# KiCad board input-output.Multi.kicad_pcb (continued)
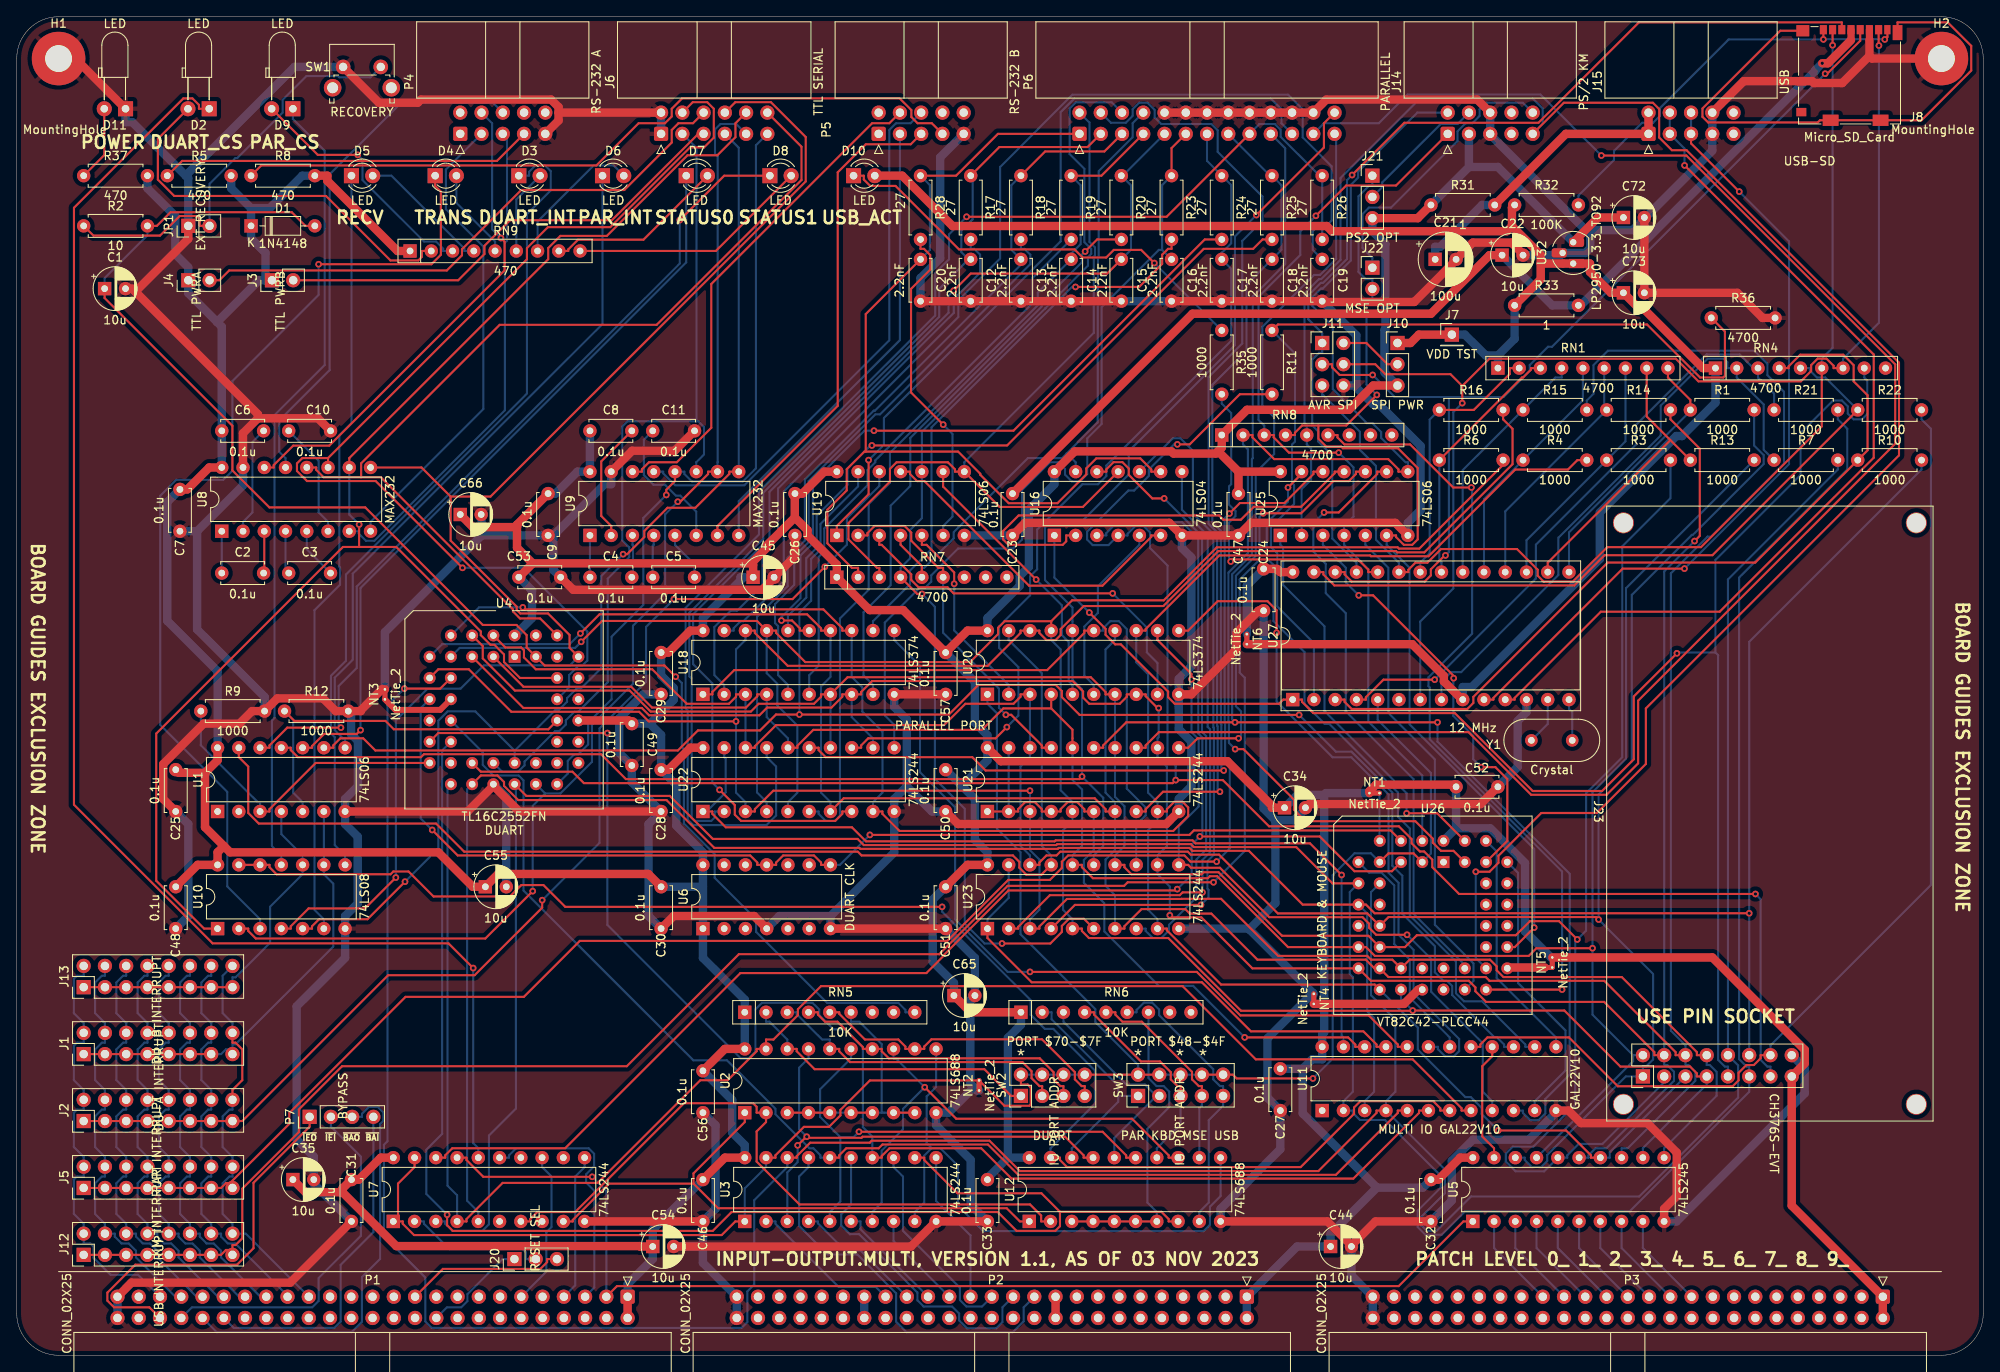
[diagram p0: board, top side]
## Nets
+12V: P2.19 P2.20
-12V: P2.37 P2.38
/DUART/GND_UART: NT3.1 U4.12
/USB-SD/VBUS: C21.1 J15.1 J15.2 R31.2
/USB-SD/VDD2: C24.1 NT6.1 U27.28
/USB-SD/VDD3: C22.1 C23.1 J8.4 R33.2
GND: C1.2 C7.2 C9.2 C10.2 C11.2 C12.2 C13.2 C14.2 C15.2 C16.2 C17.2 C18.2 C19.2 C20.2 C21.2 C22.2 C23.2 C24.2 C25.2 C26.2 C27.2 C28.2 C29.2 C30.2 C31.2 C32.2 C33.2 C34.2 C35.2 C44.2 C45.2 C46.2 C47.2 C48.2 C49.2 C50.2 C51.2 C52.2 C53.2 C54.2 C55.2 C56.2 C57.2 C65.2 C66.2 C72.2 C73.2 D11.1 H1.1 H2.1 J6.1 J6.2 J8.6 J8.9 J11.6 J14.5 J14.6 J15.7 J15.8 J23.16 JP1.1 NT2.1 NT3.2 NT4.1 P1.49 P1.50 P2.49 P2.50 P3.49 P3.50 P4.9 P5.9 P6.10 P6.12 P6.14 P6.16 P6.18 P6.20 P6.22 P6.24 R9.2 R12.2 R36.2 SW1.1 U1.7 U2.10 U3.10 U4.22 U5.10 U6.4 U6.7 U7.10 U8.15 U9.15 U10.7 U11.12 U12.10 U16.7 U18.10 U19.7 U20.10 U21.10 U22.10 U23.10 U25.7 U27.12 U32.2
VCC: C6.1 C7.1 C8.1 C9.1 C25.1 C26.1 C27.1 C28.1 C29.1 C30.1 C31.1 C32.1 C33.1 C34.1 C35.1 C44.1 C45.1 C46.1 C47.1 C48.1 C49.1 C50.1 C51.1 C52.1 C53.1 C54.1 C55.1 C56.1 C57.1 C65.1 C66.1 C72.1 D1.1 J3.1 J4.1 J10.3 J14.3 J21.3 J23.15 NT1.1 NT5.2 P1.1 P1.2 P2.1 P2.2 P3.1 P3.2 R5.2 R8.2 R31.1 R37.2 RN5.1 RN6.1 RN7.1 RN8.1 RN9.1 U1.14 U2.20 U3.20 U4.33 U4.44 U5.20 U6.1 U6.14 U7.20 U8.16 U9.16 U10.14 U11.24 U12.20 U16.14 U18.20 U19.14 U20.20 U21.20 U22.20 U23.20 U25.14 U26.44 U32.3
VDD: NT5.1 U26.29
VDD1: C73.1 D10.2 J7.1 J10.1 NT6.2 R32.1 R33.1 RN1.1 RN4.1 U27.9 U32.1
VSS: NT4.2 U26.22
470A: D2.2 RN9.2
470B: D9.2 RN9.3
470C: D5.2 RN9.4
470D: D4.2 RN9.5
470E: D3.2 RN9.6
470F: D6.2 RN9.7
470G: D7.2 RN9.8
470H: D8.2 RN9.9
/bus/A8: P2.17
/bus/A9: P2.15
/bus/A10: P2.13
/bus/A11: P2.11
/bus/A12: P2.9
/bus/A13: P2.7
/bus/A14: P2.5
/bus/A15: P2.3
/bus/A16: P2.36
/bus/A17: P2.34
/bus/A18: P2.32
/bus/A19: P2.30
/bus/A20: P2.28
/bus/A21: P2.26
/bus/A22: P2.24
/bus/A23: P2.22
/bus/A24: P2.18
/bus/A25: P2.16
/bus/A26: P2.14
/bus/A27: P2.12
/bus/A28: P2.10
/bus/A29: P2.8
/bus/A30: P2.6
/bus/A31: P2.4
/bus/AUXCLK0: P2.48
/bus/AUXCLK1: P2.47
/bus/AUXCLK2: P3.48
/bus/AUXCLK3: P3.46
/bus/CLK: P1.15
/bus/CRUCLK: P1.14
/bus/CRUIN: P1.18
/bus/CRUOUT: P1.16
/bus/D8: P3.17
/bus/D9: P3.15
/bus/D10: P3.13
/bus/D11: P3.11
/bus/D12: P3.9
/bus/D13: P3.7
/bus/D14: P3.5
/bus/D15: P3.3
/bus/D16: P3.34
/bus/D17: P3.32
/bus/D18: P3.30
/bus/D19: P3.28
/bus/D20: P3.26
/bus/D21: P3.24
/bus/D22: P3.22
/bus/D23: P3.20
/bus/D24: P3.18
/bus/D25: P3.16
/bus/D26: P3.14
/bus/D27: P3.12
/bus/D28: P3.10
/bus/D29: P3.8
/bus/D30: P3.6
/bus/D31: P3.4
/bus/E: P1.4
/bus/I2C_SCL: P1.47
/bus/I2C_SDA: P1.48
/bus/IC0: P2.45
/bus/IC1: P2.43
/bus/IC2: P2.41
/bus/IC3: P2.39
/bus/IPL0: P3.47
/bus/IPL1: P3.45
/bus/IPL2: P3.43
/bus/LDS: P3.38
/bus/PHI: P1.8
/bus/S0: P3.44
/bus/S1: P3.42
/bus/S2: P3.40
/bus/ST: P1.6
/bus/UDS: P3.36
/bus/USER0: P1.38
/bus/USER1: P1.36
/bus/USER2: P1.34
/bus/USER3: P1.32
/bus/USER4: P1.30
/bus/USER5: P1.28
/bus/USER6: P1.26
/bus/USER7: P1.24
/bus/USER8: P1.22
/bus/~{BHE}: P3.41
/bus/~{BUSACK}: P1.13
/bus/~{BUSERR}: P3.35
/bus/~{BUSRQ}: P1.23
/bus/~{DREQ0}: P2.46
/bus/~{DREQ1}: P2.42
/bus/~{HALT}: P1.27
/bus/~{INT0}: P1.17
/bus/~{INT1}: P1.12
/bus/~{INT2}: P1.10
/bus/~{MREQ}: P1.9
/bus/~{NMI}: P1.19
/bus/~{RFSH}: P1.29
/bus/~{TEND0}: P2.44
/bus/~{TEND1}: P2.40
/bus/~{VMA}: P3.39
/bus/~{VPA}: P3.37
/bus/~{WAIT}: P1.25
/DUART/INTA: R12.1 U1.5 U4.34
/DUART/INTB: R9.1 U1.3 U4.17
/DUART/RXA: P4.3 U8.8
/DUART/RXB: P5.3 U9.8
/DUART/TTL_RXA: J6.8 U4.39 U8.9 U10.4
/DUART/TTL_RXB: J6.7 U4.25 U9.9 U10.5
/DUART/TTL_TXA: J6.10 U4.38 U8.10 U10.1
/DUART/TTL_TXB: J6.9 U4.26 U9.10 U10.2
/DUART/TXA: P4.5 U8.7
/DUART/TXB: P5.5 U9.7
/DUART/~{CTSA}: P4.6 U8.13
/DUART/~{CTSB}: P5.6 U9.13
/DUART/~{DTRA}: P4.7 R5.1
/DUART/~{DTRB}: P5.7 R8.1
/DUART/~{INTA}: J1.1 J1.3 J1.5 J1.7 J1.9 J1.11 J1.13 J1.15 U1.6 U10.9
/DUART/~{INTB}: J13.1 J13.3 J13.5 J13.7 J13.9 J13.11 J13.13 J13.15 U1.4 U10.10
/DUART/~{RTSA}: P4.4 U8.14
/DUART/~{RTSB}: P5.4 U9.14
/DUART/~{TTL_CTSA}: J6.12 U4.40 U8.12
/DUART/~{TTL_CTSB}: J6.11 U4.28 U9.12
/DUART/~{TTL_RIA}: C1.1 D1.2 R2.2 RN5.9 U4.43
/DUART/~{TTL_RTSA}: J6.4 U4.36 U8.11
/DUART/~{TTL_RTSB}: J6.3 U4.23 U9.11
/kbdmse/KBDCLK: J14.1 RN8.3 U25.4 U26.2
/kbdmse/KBDDAT: J14.9 RN8.5 U25.2 U26.30
/kbdmse/MSECLK: J14.2 RN8.2 U25.8 U26.43
/kbdmse/MSEDAT: J21.1 J22.2 RN8.4 U25.6 U26.31
/kbdmse/P12: U26.32
/kbdmse/P13: U26.33
/kbdmse/P14: U26.35
/kbdmse/P15: U26.36
/kbdmse/P16: U26.37
/kbdmse/P17: U26.38
/kbdmse/P20: U26.24
/kbdmse/P21: U26.25
/kbdmse/PROG: RN8.6 U26.28
/kbdmse/~{INT_KM}: J5.1 J5.3 J5.5 J5.7 J5.9 J5.11 J5.13 J5.15 U25.12
/parallel/BUSY: RN7.6 U19.2 U21.17
/parallel/ERROR: P6.4 U21.8
/parallel/P-RESET: P6.6 RN7.4 U19.10 U23.6
/parallel/PAPEROUT: P6.23 U21.13
/parallel/PD0: C12.1 P6.3 R17.1 U22.2
/parallel/PD1: C13.1 P6.5 R18.1 U22.4
/parallel/PD2: C14.1 P6.7 R19.1 U22.6
/parallel/PD3: C15.1 P6.9 R20.1 U22.8
/parallel/PD4: C16.1 P6.11 R23.1 U22.11
/parallel/PD5: C17.1 P6.13 R24.1 U22.13
/parallel/PD6: C18.1 P6.15 R25.1 U22.15
/parallel/PD7: C19.1 P6.17 R26.1 U22.17
/parallel/SELECT: P6.25 U21.11
/parallel/STATUS0: P6.26 U1.11 U20.16 U23.15
/parallel/STATUS1: U1.13 U20.19 U23.17
/parallel/~{BUSY}: P6.21 U19.1
/parallel/~{INT_PAR}: J2.1 J2.3 J2.5 J2.7 J2.9 J2.11 J2.13 J2.15 U19.12
/parallel/~{LINEFEED}: P6.2 RN7.3 U16.11 U19.8
/parallel/~{PDENBL}: U18.1 U20.15 U23.13
/parallel/~{SEL}: P6.8 RN7.5 U16.13 U19.4
/parallel/~{STROBE}: C20.1 P6.1 R28.1 RN7.2 U16.9
/USB-SD/RST: R11.1 R36.1 U27.2
/USB-SD/SDCK: J8.5 J11.3 U27.26
/USB-SD/SDCS: J8.2 J11.5 RN4.6 U27.23
/USB-SD/SDDI: J8.3 J11.1 U27.25
/USB-SD/SDDO: J8.7 J11.4 RN4.7 U27.7
/USB-SD/UD+: J15.5 J15.6 U27.10
/USB-SD/UD-: J15.3 J15.4 U27.11
/USB-SD/~{INT-USB}: J23.9 RN4.8 U16.1 U27.1
A0: P2.35 U3.2
A1: P2.33 U3.4
A2: P2.31 U3.6
A3: P2.29 U3.8
A4: P2.27 U3.11
A5: P2.25 U3.13
A6: P2.23 U3.15
A7: P2.21 U3.17
ACK: P6.19 U11.10 U21.15
bA0: J23.10 R7.2 U3.18 U4.10 U11.4 U26.10
bA1: U3.16 U4.14 U11.5
bA2: U3.14 U4.15 U11.6
bA3: U3.12 U4.16 U12.8
bA4: U2.11 U3.9 U12.11
bA5: U2.13 U3.7 U12.13
bA6: U2.15 U3.5 U12.15
bA7: U2.17 U3.3 U12.17
bD0: J23.1 R1.2 U4.2 U5.18 U18.3 U20.3 U21.18 U22.18 U23.18 U26.14
bD1: J23.2 R13.2 U4.3 U5.17 U18.4 U20.4 U21.16 U22.16 U23.16 U26.15
bD2: J23.3 R3.2 U4.4 U5.16 U18.7 U20.7 U21.14 U22.14 U23.14 U26.16
bD3: J23.4 R14.2 U4.5 U5.15 U18.8 U20.8 U21.12 U22.12 U23.12 U26.17
bD4: J23.5 R4.2 U4.6 U5.14 U18.13 U20.13 U21.9 U22.9 U23.9 U26.18
bD5: J23.6 R15.2 U4.7 U5.13 U18.14 U20.14 U21.7 U22.7 U23.7 U26.19
bD6: J23.7 R6.2 U4.8 U5.12 U18.17 U20.17 U21.5 U22.5 U23.5 U26.20
bD7: J23.8 R16.2 U4.9 U5.11 U18.18 U20.18 U21.3 U22.3 U23.3 U26.21
bRESET: J23.13 R11.2 U4.21 U16.4
CLK_DUART: U4.11 U6.8 U6.11 U26.4
D0: P3.33 U5.2
D1: P3.31 U5.3
D2: P3.29 U5.4
D3: P3.27 U5.5
D4: P3.25 U5.6
D5: P3.23 U5.7
D6: P3.21 U5.8
D7: P3.19 U5.9
INT_KM: U11.14 U25.13
INT_PAR: U1.9 U11.15 U19.13
ONE: NT1.2 U26.6
P24-OB: U11.11 U26.39
P25-BF: U11.13 U26.40
PARINT: U11.9 U20.12 U23.11
ZERO: NT2.2 SW2.2 SW2.4 SW2.6 SW2.8 SW3.2 SW3.4 SW3.6 SW3.8 SW3.10 U3.1 U3.19 U7.1 U7.19 U20.1 U26.3 U26.8 U27.5
~{BAI}: P1.40 P7.4
~{BAO}: P1.42 P7.3
~{bIORQ}: U2.1 U7.9 U12.1
~{bM1}: U2.2 U7.7 U12.2
~{bRD}: J23.11 R21.2 U4.24 U7.3 U11.2 U26.9
~{bRESET}: U7.18 U16.3 U26.5
~{BUS_EN}: U5.19 U11.16
~{bWR}: J23.12 R10.2 U4.20 U7.5 U11.3 U26.11
~{CS_DUART}: U2.19 U4.18 U7.4 U11.8
~{CS_KM}: U11.18 U26.7
~{CS_PAR}: U10.12 U10.13 U11.7 U12.19
~{CS_US}: J23.14 R22.2 U11.17
~{EIRQ0}: J1.2 J2.2 J5.2 J12.2 J13.2 P1.45
~{EIRQ1}: J1.4 J2.4 J5.4 J12.4 J13.4 P1.43
~{EIRQ2}: J1.6 J2.6 J5.6 J12.6 J13.6 P1.41
~{EIRQ3}: J1.8 J2.8 J5.8 J12.8 J13.8 P1.39
~{EIRQ4}: J1.10 J2.10 J5.10 J12.10 J13.10 P1.37
~{EIRQ5}: J1.12 J2.12 J5.12 J12.12 J13.12 P1.35
~{EIRQ6}: J1.14 J2.14 J5.14 J12.14 J13.14 P1.33
~{EIRQ7}: J1.16 J2.16 J5.16 J12.16 J13.16 P1.31
~{IEI}: P1.44 P7.2
~{IEO}: P1.46 P7.1
~{IORQ}: P1.7 U7.11
~{M1}: P1.11 U7.13
~{PARIN0}: U11.23 U22.1 U22.19
~{PARIN1}: U11.22 U21.1 U21.2 U21.4 U21.6 U21.19
~{PARIN2}: U11.21 U23.1 U23.19
~{PAROUT0}: U11.20 U18.11
~{PAROUT2}: U11.19 U20.11
~{RD}: P1.3 U5.1 U7.17
~{RES_IN}: J20.1 P1.20
~{RES_OUT}: J20.3 P1.21
~{WR}: P1.5 U7.15
Net-(C2-Pad1): C2.1 U8.1
Net-(C2-Pad2): C2.2 U8.3
Net-(C3-Pad1): C3.1 U8.4
Net-(C3-Pad2): C3.2 U8.5
Net-(C4-Pad1): C4.1 U9.1
Net-(C4-Pad2): C4.2 U9.3
Net-(C5-Pad1): C5.1 U9.4
Net-(C5-Pad2): C5.2 U9.5
Net-(C6-Pad2): C6.2 U8.2
Net-(C8-Pad2): C8.2 U9.2
Net-(C10-Pad1): C10.1 U8.6
Net-(C11-Pad1): C11.1 U9.6
Net-(D2-Pad1): D2.1 U7.16
Net-(D3-Pad1): D3.1 U10.8
Net-(D4-Pad1): D4.1 U10.3
Net-(D5-Pad1): D5.1 U10.6
Net-(D6-Pad1): D6.1 U1.8
Net-(D7-Pad1): D7.1 U1.10
Net-(D8-Pad1): D8.1 U1.12
Net-(D9-Pad1): D9.1 U10.11
Net-(D10-Pad1): D10.1 R35.1
Net-(D11-Pad2): D11.2 R37.1
Net-(J3-Pad2): J3.2 J6.5
Net-(J4-Pad2): J4.2 J6.6
Net-(J8-Pad1): J8.1 J8.8 R32.2
Net-(J10-Pad2): J10.2 J11.2
Net-(J12-Pad1): J12.1 J12.3 J12.5 J12.7 J12.9 J12.11 J12.13 J12.15 U25.10
Net-(J14-Pad4): J14.4 J21.2
Net-(J14-Pad10): J14.10 J22.1
Net-(J20-Pad2): J20.2 U7.2
Net-(JP1-Pad2): JP1.2 R2.1 SW1.2
Net-(R1-Pad1): R1.1 RN1.9 U27.15
Net-(R3-Pad1): R3.1 RN1.7 U27.17
Net-(R4-Pad1): R4.1 RN1.5 U27.19
Net-(R6-Pad1): R6.1 RN1.3 U27.21
Net-(R7-Pad1): R7.1 RN4.2 U27.8
Net-(R10-Pad1): R10.1 RN4.4 U27.3
Net-(R13-Pad1): R13.1 RN1.8 U27.16
Net-(R14-Pad1): R14.1 RN1.6 U27.18
Net-(R15-Pad1): R15.1 RN1.4 U27.20
Net-(R16-Pad1): R16.1 RN1.2 U27.22
Net-(R17-Pad2): R17.2 U18.2
Net-(R18-Pad2): R18.2 U18.5
Net-(R19-Pad2): R19.2 U18.6
Net-(R20-Pad2): R20.2 U18.9
Net-(R21-Pad1): R21.1 RN4.3 U27.4
Net-(R22-Pad1): R22.1 RN4.5 U27.27
Net-(R23-Pad2): R23.2 U18.12
Net-(R24-Pad2): R24.2 U18.15
Net-(R25-Pad2): R25.2 U18.16
Net-(R26-Pad2): R26.2 U18.19
Net-(R28-Pad2): R28.2 U19.6
Net-(R35-Pad2): R35.2 U27.24
Net-(RN5-Pad2): RN5.2 SW2.1 U2.18
Net-(RN5-Pad3): RN5.3 SW2.3 U2.16
Net-(RN5-Pad4): RN5.4 SW2.5 U2.14
Net-(RN5-Pad5): RN5.5 SW2.7 U2.12
Net-(RN5-Pad6): RN5.6 U2.3 U2.4 U2.5 U2.6 U2.7 U2.8 U2.9
Net-(RN6-Pad2): RN6.2 SW3.1 U12.18
Net-(RN6-Pad3): RN6.3 SW3.3 U12.16
Net-(RN6-Pad4): RN6.4 SW3.5 U12.14
Net-(RN6-Pad5): RN6.5 SW3.7 U12.12
Net-(RN6-Pad6): RN6.6 SW3.9 U12.9
Net-(RN6-Pad7): RN6.7 U12.3 U12.4 U12.5 U12.6 U12.7
Net-(U16-Pad2): U16.2 U25.11
Net-(U16-Pad5): U16.5 U20.6
Net-(U16-Pad6): U16.6 U19.11
Net-(U16-Pad8): U16.8 U23.2
Net-(U16-Pad10): U16.10 U23.4
Net-(U16-Pad12): U16.12 U23.8
Net-(U19-Pad3): U19.3 U20.9
Net-(U19-Pad5): U19.5 U20.2
Net-(U19-Pad9): U19.9 U20.5
Net-(U25-Pad1): U25.1 U26.42
Net-(U25-Pad3): U25.3 U26.41
Net-(U25-Pad5): U25.5 U26.26
Net-(U25-Pad9): U25.9 U26.27
Net-(U27-Pad13): U27.13 Y1.1
Net-(U27-Pad14): U27.14 Y1.2

Pads without a net: J8 10 11; J14 7 8; J15 9 10; P4 1 2 8 10; P5 1 2 8 10; RN4 9; RN5 7 8; RN6 8 9; RN7 7 8 9; RN8 7 8 9; U1 1 2; U4 1 13 19 27 29 30 31 32 35 37 41 42; U6 2 3 5 6 9 10 12 13; U7 6 8 12 14; U11 1; U26 1 12 13 23 34; U27 6

## Via types
v1: diameter 0.8, hole 0.4, Top to Bottom, 122 vias

## Routing (per net, layer and track width the routed paths; a pad name or vN(x,y) marks a point on that pad's centre or on a via; arc(x,y) is an arc through that point)
+12V: length 2.5
  Top w1: P2.20 P2.19
-12V: length 2.5
  Bottom w1: P2.38 P2.37
/DUART/GND_UART: length 8.9
  Top w0.7: NT3.1 45.25,77.15 50.61,77.15 U4.12
/USB-SD/VBUS: length 35.1
  Top w1: R31.2 185.12,146 J15.1 J15.2
  Bottom w1: C21.1 169.5,132.5 170.12,132.5 175.12,137.5 R31.2
/USB-SD/VDD2: length 12.3
  Top w1: U27.28 150.97,93.62 150.59,94 C24.1
  Bottom w1: C24.1 147,92 NT6.1
/USB-SD/VDD3: length 128.9
  Top w0.85: 219.19,157.2 J8.4
  Top w1: 219.19,157.2 216.43,154.44 v1(215.76,154.44) ; C23.1 140.5,124.5 169,124.5 176,131.5 C22.1
  Bottom w1: v1(215.76,154.44) 214.95,153.63 214.95,153.55 186.9,125.5 R33.2 183.5,125.5 C22.1
GND: length 1399.2
  Top w0.85: 221.39,157.2 J8.6
  Top w1: C26.2 93,95.5 C45.2 90.5,92.91 89.09,91.5 66.5,91.5 C53.2 ; C52.2 174.93,65.88 154.43,65.88 C34.2 ; C25.2 17.5,66.5 17.5,70.66 22.34,75.5 26.62,75.5 28.12,77 R9.2 31.14,78.52 36.6,78.52 38.12,77 R12.2 41.12,77 41.12,77.09 43.63,79.6 NT3.2 ; P6.10 P6.12 P6.14 P6.16 P6.18 P6.20 P6.22 P6.24 156.5,150.1 174.52,150.1 J14.6 ; U9.15 73.54,108.12 78.62,108.12 C11.2 ; D11.1 7,155 H1.1 ; U6.4 88.12,52.5 78.5,52.5 C30.2 ; U6.7 C51.2 ; C24.2 148.39,89 145.78,86.4 145.78,84.42 140.36,79 U20.10 ; C16.2 C17.2 C18.2 C19.2 156.09,125.91 167.01,125.91 172,130.9 C21.2 174,133 178.62,133 180,131.63 C22.2 ; P4.9 64.75,147.59 64.75,148.54 ; U5.10 196.86,17.5 198.37,19.01 198.37,24.24 194.85,27.75 186.94,27.75 185.44,29.25 U11.12 ; 221.39,155.32 218.15,152.07 214.79,152.07 214.56,152.3 J8.9 206.38,152.3 J15.8 ; 221.39,155.32 221.71,155 H2.1 ; 221.39,155.32 221.39,157.2 ; U25.7 164.74,99.5 147.5,99.5 C47.2 U16.7 137.74,99.5 120.5,99.5 C23.2 ; C1.2 13.8,127.5 14.18,127.13 ; 28.82,112 36,112 C10.2 ; 28.82,112 28.82,112.48 14.18,127.13 ; 28.82,112 27.04,110.22 U8.15 ; U1.7 53.88,65 56.96,68.08 ; 56.96,68.08 U4.22 ; 56.96,68.08 60.04,65 C28.2 ; R36.2 208.62,124 205.62,127 C73.2 C72.2 ; SW1.1 43.28,149.72 47.92,149.72 48.3,150.1 63.86,150.1 64.75,149.2 64.75,148.54 ; 14.18,127.13 20.5,133.45 JP1.1 ; U12.10 156.62,16 159.5,13.12 ; C50.2 112.5,63.5 137.36,63.5 U21.10 ; 64.75,148.54 J6.2 ; C46.2 U7.10 ; C20.2 C12.2 C13.2 C14.2 C15.2 ; 159.5,13.12 162.38,16 C32.2 ; 159.5,13.12 C44.2 ; C31.2 32.68,8.68 13.72,8.68 P1.49 ; C33.2 U3.10 106.86,13 C54.2 ; U18.10 C57.2
  Bottom w1: J11.6 160.09,115.92 ; 160.09,115.92 160.09,121.91 C19.2 ; 160.09,115.92 160.09,115.68 162.07,113.69 162.76,113.69 167.76,108.69 167.76,101.02 166.24,99.5 U25.7 ; C33.2 113.99,18.01 113.99,23.37 109.86,27.5 U2.10 111.36,29 114.39,32.03 ; C16.2 C15.2 ; 114.39,32.03 114.76,31.65 NT2.1 ; 114.39,32.03 113.95,32.46 113.95,42.45 C65.2 114.5,47.5 C51.2 ; U6.4 91.12,52.5 97.24,52.5 ; 97.24,52.5 U6.7 ; 97.24,52.5 104.86,60.12 U22.10 104.86,66.5 106.37,68.01 ; 21.55,98.5 27.04,103.99 U8.15 ; 21.55,98.5 21.55,86.77 29.62,78.7 R9.2 ; 21.55,98.5 C7.2 ; 20.19,141.01 20.5,140.7 JP1.1 ; 20.19,141.01 33.19,154 SW1.1 ; 20.19,141.01 13.8,147.4 13,147.4 D11.1 ; P5.9 110.35,143.19 110.35,131.12 108,128.77 C20.2 ; 64.13,98 64.13,93.87 C53.2 ; 64.13,98 C9.2 55.55,98 ; 64.13,98 70.25,104.12 71.04,104.12 U9.15 ; U21.10 138.86,66.5 140.36,68 140.36,73.34 138.86,74.85 U20.10 138.86,80.84 140.37,82.34 140.37,95.37 139.24,96.5 U16.7 ; C24.2 149,65.36 150.41,63.95 ; C50.2 109.37,65 106.37,68.01 ; U19.7 C23.2 ; J23.16 213.66,34.32 213.66,31.3 198.36,16 U5.10 ; C66.2 55.55,100.45 55.55,98 ; 150.41,63.95 150.41,54.05 147.36,51 ; 150.41,63.95 152.62,63.95 154,65.32 C34.2 ; 82,13 C46.2 83.51,17.51 83.51,27.49 C56.2 ; 82,13 82,11.04 P2.49 P2.50 ; 82,13 C54.2 ; P3.50 P3.49 159.5,9.54 C44.2 ; NT3.2 44,86.45 55.55,98 ; 147.36,51 147.36,50.84 154.89,43.31 ; 147.36,51 U23.10 ; NT4.1 154.89,43.31 ; 154.89,43.31 149.46,37.88 149.46,30.79 C27.2 151,24.64 143.86,17.5 U12.10 ; C25.2 20.5,63.5 20.5,52.5 C48.2 ; R12.2 39.96,76.66 39.96,74.24 40.77,73.43 40.77,68.03 39.24,66.5 U1.7 39.24,63.5 40.75,61.99 40.75,54.01 39.24,52.5 U10.7 39.24,47.5 33.45,41.71 33.45,25.79 35.5,23.74 C35.2 35.5,20.5 C31.2 ; C22.2 184.46,131.5 U32.2 187.45,131.77 188.03,132.35 188.03,134.5 ; C55.2 58.5,66.72 U4.22 ; C30.2 75.5,52.5 75.5,63.5 C28.2 73.5,68.5 C49.2 71.99,72.01 71.99,76.12 74.87,79 C29.2 ; 188.03,134.5 187.48,134.5 176.08,145.9 J14.5 J14.6 ; 188.03,134.5 193.12,134.5 194.5,135.87 C72.2 194.63,136 202.62,143.99 J15.7 J15.8 ; 106.37,68.01 106.37,75.99 104.86,77.5 U18.10 ; U11.12 183.94,29.01 180.7,25.77 174.02,25.77 171.49,23.24 171.49,18.49 C32.2 ; P1.50 P1.49 ; J6.2 J6.1 ; U27.12 180.41,76.87 179.35,75.81 179.35,70.3 C52.2
VCC: length 996
  Top w1: C28.1 77.88,70 80.5,72.62 U22.20 ; RN9.1 45.5,132 37.12,140.38 37.12,141 R8.2 ; C65.1 114,41 RN6.1 ; U32.3 188.96,136 C72.1 ; 38.92,19.49 38.92,19.92 C31.1 40.88,21 43.5,23.62 U7.20 ; 38.92,19.49 34.51,19.49 C35.1 ; 38.92,19.49 45.36,13.05 74.45,13.05 74.5,13 C54.1 ; U16.14 126.43,108.05 137.98,108.05 138.24,107.79 143.29,107.79 143.56,108.06 ; 59.78,98.99 59.78,96.53 61.66,94.66 ; 59.78,98.99 59.78,99.28 C9.1 ; 59.78,98.99 54.51,98.99 C66.1 ; C34.1 150,65.45 150,65.68 144.67,71.01 117.61,71.01 U21.20 ; U4.33 73.12,75.88 C49.1 ; C48.1 21.62,58.62 U10.14 24,60.12 24.75,60.87 ; R31.1 167.42,135.92 J21.3 ; U5.20 172.5,23.62 169.88,21 C32.1 ; 22.5,69.62 22.5,63.12 24.75,60.87 ; 22.5,69.62 19.38,69.62 C25.1 ; 22.5,69.62 24,71.12 U1.14 ; 61.66,94.66 C53.1 ; 61.66,94.66 87.84,94.66 ; P1.1 P1.2 ; 146,105.62 U25.14 ; 146,105.62 143.56,108.06 ; 146,105.62 C47.1 ; U2.20 84.62,36.62 C56.1 ; J10.3 162.1,115.92 159.19,113.01 147.01,113.01 RN8.1 144,108.5 143.56,108.06 ; C52.1 171.75,68.2 162.42,68.2 161.65,67.43 NT1.1 ; U23.20 113.62,58.62 C51.1 ; 24.75,60.87 25.5,60.12 50.38,60.12 54.5,56 C55.1 57.53,57.53 75.47,57.53 C30.1 ; C45.1 88,94.5 87.84,94.66 ; U8.16 23,106.12 20.38,103.5 C7.1 ; C46.1 84.62,23.62 U3.20 ; 92.98,100.14 92.98,102.84 93,102.86 C26.1 93.88,103 96.5,105.62 U19.14 ; 92.98,100.14 94.5,98.62 94.5,98 98,94.5 RN7.1 101.93,89.07 105.93,89.07 C57.1 113.62,86.62 U20.20 ; 92.98,100.14 89.64,96.8 89.64,96.53 87.84,94.73 87.84,94.66 ; C29.1 77.88,84 80.5,86.62 U18.20 ; P3.2 P3.1 212.11,17.89 J23.15 213.67,34.89 213.67,36.51 202.63,47.55 NT5.2
  Bottom w1: R5.2 25.62,139.5 28,137.12 ; 82,56 U6.1 82,47.5 87,42.5 RN5.1 U2.20 ; 82,56 C30.1 ; 82,56 U6.14 82,60.12 78.82,63.3 78.82,68.18 C28.1 77,74.16 75.66,75.5 ; 118.44,23.62 116,21.18 C33.1 ; 118.44,23.62 118.44,37.94 120,39.5 RN6.1 ; 118.44,23.62 U12.20 ; J10.3 163.45,117.47 163.45,122.55 163.55,122.66 163.55,132.82 162,134.37 J21.3 ; 29.72,128.5 29.72,131.77 28,133.5 D1.1 28,137.12 ; 29.72,128.5 J3.1 ; 29.72,128.5 28.95,128.5 23.95,123.5 ; 28,137.12 30.24,137.12 34.12,141 R8.2 ; 75.66,75.5 C49.1 ; 75.66,75.5 78.5,78.34 78.5,79.76 77,81.26 C29.1 ; NT1.1 156.46,67.2 156.24,66.98 ; 162.54,20.04 168.04,20.04 C32.1 ; 162.54,20.04 153.67,28.91 153.67,34.25 ; 162.54,20.04 157,14.5 C44.1 153,13 P2.1 P2.2 ; P1.1 73,8.5 76,11.5 C54.1 76,15 C46.1 ; C52.1 172,62.99 ; 172,62.99 176.09,62.99 180.24,58.85 180.24,50.66 183.35,47.55 NT5.2 ; 172,62.99 U26.44 ; 153.67,34.25 154.79,35.37 156,35.37 U11.24 156,38.37 156.24,38.61 156.24,66.98 ; 153.67,34.25 C27.1 ; 173.54,142.04 177,142.04 U32.3 ; 173.54,142.04 J14.3 ; 173.54,142.04 R31.1 ; C51.1 109.46,54.46 109.46,47.04 112,44.5 C65.1 ; 23.95,123.5 24.5,122.95 C6.1 U8.16 ; 23.95,123.5 20.5,126.95 J4.1 20.5,130.05 18.95,131.6 18.95,136.17 15.62,139.5 R37.2 ; 112.94,68.06 C50.1 ; 112.94,68.06 114.5,66.5 114.5,61.62 116,60.12 U23.20 ; 112.94,68.06 116,71.12 U21.20 116,74.12 114.5,75.62 114.5,80.5 C57.1 ; U4.44 61.57,88.11 61.57,91.43 C53.1 ; C34.1 153.03,66.98 156.24,66.98 ; U1.14 24,81.77 17.98,87.79 17.98,101.98 C7.1 ; C9.1 64.38,103 67,105.62 U9.16 C8.1 ; C56.1 85.5,30.5 85.5,26.62 87,25.12 U3.20 ; U16.14 124,104.12 120.95,101.07 120.95,94.25 119.86,93.16 119.86,91.98 116,88.12 U20.20 ; U18.20 82,88.12 86.5,92.62 86.5,93 C45.1
VDD: length 5.4
  Top w0.6: NT5.1 182.61,46.35
  Top w1: 182.61,46.35 178.22,46.35 U26.29
VDD1: length 224.5
  Top w1: R32.1 178.68,137.18 178.68,134.97 ; 178.68,134.97 178.07,134.36 157.16,134.36 156.54,134.98 111.83,134.98 105.81,141 D10.2 ; 178.68,134.97 182.11,131.53 182.11,130.5 ; J7.1 167.55,122 166.55,121 J10.1 ; 182.11,130.5 U32.1 188,130.5 188,129.5 190.5,127 C73.1 193.8,125.2 194.3,125.2 201.5,118 RN4.1 ; 182.11,130.5 182.11,128.61 R33.1 ; NT6.2 166.75,85 170.54,81.21 170.54,80.55 172.71,78.38 U27.9
  Bottom w1: 177,119.5 179,121.5 R33.1 ; 177,119.5 175.55,119.5 173.05,122 J7.1 ; 177,119.5 RN1.1 ; U27.9 172.79,79.88 173.88,79.88 189.18,95.18 189.18,100.74 198.32,109.88 199.01,109.88 203,113.87 RN4.1
VSS: length 13.7
  Top w1: U26.22 167.49,43.71 165.78,42 NT4.2
470A: length 47.5
  Top w0.25: RN9.2 48.41,132 48.41,131.3 47.99,130.87 44.66,130.87 36.95,138.57 18.82,138.57 16.87,140.53 16.87,145.41 D2.2
470B: length 30.3
  Top w0.25: D9.2 35.97,143.49 v1(40.74,143.49)
  Bottom w0.25: v1(40.74,143.49) 41.31,142.92 41.31,140.48 48.67,133.13 50.11,133.13 50.95,132.28 50.95,132 RN9.3
470C: length 16
  Bottom w0.25: D5.2 44.78,141 53.49,132.28 53.49,132 RN9.4
470D: length 10.9
  Bottom w0.25: RN9.5 57.16,133.13 52.54,137.75 D4.2
470E: length 10.2
  Bottom w0.25: RN9.6 59.7,138.16 D3.2
470F: length 17.1
  Bottom w0.25: D6.2 71.31,142.23 68.93,142.23 62.24,135.53 RN9.7
470G: length 21.6
  Top w0.25: D7.2 74.89,133.35 67.07,133.35 65.91,132.18 65.91,132 RN9.8
470H: length 28.9
  Top w0.25: RN9.9 83.54,132 D8.2
/DUART/INTA: length 46.8
  Top w0.25: U4.34 63.53,74.83 45.06,74.83 44.07,75.82 33.18,75.82 R12.1
  Bottom w0.25: U1.5 34.16,66.13 33.03,67.25 33.03,75.97 R12.1
/DUART/INTB: length 37.9
  Top w0.25: U1.3 30.21,65 30.21,65.28 35.72,70.8 U4.17
  Bottom w0.25: U1.3 29.08,66.13 28.8,66.13 22,72.92 R9.1
/DUART/RXA: length 56.7
  Bottom w0.25: P4.3 51.28,141.74 51.28,136.99 55.76,132.52 55.76,113.1 42.28,99.63 U8.8
/DUART/RXB: length 56
  Bottom w0.25: U9.8 86.28,102.09 105.54,121.35 P5.3
/DUART/TTL_RXA: length 173.8
  Top w0.25: U10.4 32.75,51 32.75,51.28 34.88,53.41 41.61,53.41 v1(45.3,57.1) ; 51.85,102.64 48.37,106.12 U8.9 ; 51.85,102.64 51.85,97.38 59.75,89.48 59.75,89.1 60.17,88.67 63.49,88.67 66.06,86.1 66.06,84.56 U4.39 ; 51.85,102.64 56.61,102.64 94.29,140.32 94.29,145.62 90.12,149.79 85.87,149.79 J6.8
  Bottom w0.25: v1(45.3,57.1) 45.3,75.88 49.11,79.69 53.04,79.69 55.81,82.46 66.08,82.46 U4.39
/DUART/TTL_RXB: length 137.6
  Top w0.25: v1(72.46,95.76) 72.95,95.76 74.99,97.81 74.99,98.53 77.77,101.3 81.1,101.3 85.15,105.35 85.15,105.62 U9.9 ; v1(46.4,56.61) 41.91,52.13 36.13,52.13 35.29,51.28 35.29,51 U10.5
  Bottom w0.25: J6.7 86.28,144.34 U9.9 ; U4.25 59.5,72.27 ; 59.5,72.27 54.8,76.97 51.49,76.97 50.38,75.85 50.38,60.59 v1(46.4,56.61) ; 59.5,72.27 64.38,77.15 64.8,77.15 65.76,78.11 65.76,78.55 66.9,79.69 67.41,79.69 69.85,82.13 69.85,93.14 v1(72.46,95.76)
/DUART/TTL_TXA: length 169.1
  Top w0.25: U4.38 60.14,80.96 58.23,82.87 58.23,83.77 57.07,84.93 56.6,84.93 55.46,86.08 55.46,86.52 45.36,96.62 40.91,96.62 ; U8.10 39.74,107.25 63.51,131.02 63.51,132.35 64.96,133.8 70.52,133.8 80.16,143.44 83.73,143.44 85.89,145.61 85.89,147.27 J6.10 ; 40.91,96.62 v1(40.91,99.31) ; 40.91,96.62 38.98,96.62 16.67,74.31 16.67,56.72 22.39,51 U10.1
  Bottom w0.25: U8.10 39.74,100.49 v1(40.91,99.31)
/DUART/TTL_TXB: length 146.4
  Top w0.25: v1(78.99,102.03) 79.3,102.03 82.61,105.34 82.61,105.62 U9.10 ; v1(61.66,55.48) 56,49.82 28.57,49.82 27.67,50.72 27.67,51 U10.2
  Bottom w0.25: v1(61.66,55.48) 61.66,65.68 63.14,67.16 ; U9.10 83.74,106.75 83.77,106.77 83.77,143.29 83.44,143.61 83.44,146.53 84.1,147.18 85.98,147.18 J6.9 ; 63.14,67.16 U4.26 ; 63.14,67.16 64.97,67.16 68.74,70.93 68.74,75.35 73.64,80.25 73.64,87.2 77.49,91.05 77.49,100.52 v1(78.99,102.03)
/DUART/TXA: length 59
  Bottom w0.25: P4.5 58.58,145.5 58.58,133.25 58.33,132.99 58.33,112.95 42.73,97.36 41.73,97.36 40.87,98.22 40.87,98.5 U8.7
/DUART/TXB: length 61.2
  Top w0.25: P5.5 106.83,144.75 101.46,144.75 98.11,141.4 98.11,113.5 83.74,99.13 U9.7
/DUART/~{CTSA}: length 62.6
  Bottom w0.25: U8.13 32.12,107.25 31.37,108 31.37,111.73 37.39,117.75 37.39,141.16 45.95,149.72 56.9,149.72 P4.6
/DUART/~{CTSB}: length 65.9
  Bottom w0.25: P5.6 106.81,147.27 105.08,147.27 104.27,146.46 104.27,121.32 86.95,103.99 78.68,103.99 77.25,105.43 77.25,105.62 U9.13
/DUART/~{DTRA}: length 44.7
  Top w0.25: P4.7 57.38,142.76 19.76,142.76 R5.1
/DUART/~{DTRB}: length 89.2
  Top w0.25: R8.1 29.23,142.23 69.27,142.23 74.32,147.27 77.46,147.27 78.27,148.08 78.27,149 79.51,150.24 105.51,150.24 106.9,148.85 106.9,148.01 107.65,147.27 109.35,147.27 P5.7
/DUART/~{INTA}: length 52.7
  Top w0.25: J1.13 J1.11 J1.9 J1.7 J1.5 J1.3 J1.1
  Bottom w0.25: 25.78,36.57 25.78,37.18 26.15,37.18 37.83,48.85 37.83,56.37 36.7,57.49 U10.9 U1.6 ; 25.78,36.57 J1.15 ; 25.78,36.57 24.99,36.57 24.42,36 J1.13
/DUART/~{INTB}: length 43.5
  Top w0.25: J13.15 J13.13 J13.11 J13.9 J13.7 J13.5 J13.3 J13.1
  Bottom w0.25: J13.15 25.78,45.18 26.15,45.18 30.28,49.3 30.28,53.61 34.16,57.49 U10.10 34.16,59.75 31.62,62.29 U1.4
/DUART/~{RTSA}: length 58.6
  Top w0.25: U8.14 30.71,106.12 30.71,106.4 33.03,108.73 37.35,108.73 58.29,129.68 58.29,133.11 v1(57.86,133.55)
  Bottom w0.25: P4.4 56.81,147.27 56.81,134.6 v1(57.86,133.55)
/DUART/~{RTSB}: length 60
  Top w0.25: U9.14 74.71,105.62 74.71,105.9 75.55,106.75 78.88,106.75 83,110.87 83,128.05 102.22,147.27 104.27,147.27 P5.4
/DUART/~{TTL_CTSA}: length 116.6
  Top w0.25: U8.12 35.79,106.12 35.79,105.84 36.67,104.95 41.15,104.95 ; 41.15,104.95 41.15,106.61 57.71,123.17 76.47,123.17 93.78,140.48 93.78,144.46 J6.12 ; 41.15,104.95 43.5,104.95 59.3,89.16 59.3,88.91 60.14,88.07 62.55,88.07 U4.40
/DUART/~{TTL_CTSB}: length 95
  Top w0.25: v1(77.62,102.84) 77.62,103.46 78.66,104.49 U9.12
  Bottom w0.25: U9.12 79.79,105.62 79.79,105.34 80.68,104.44 86.76,104.44 88.34,106.02 88.34,144.64 J6.11 ; v1(77.62,102.84) 74.87,100.09 74.87,89.69 71.08,85.9 71.08,78.41 68.29,75.61 68.29,73.02 67.1,71.84 66.63,71.84 65.85,71.05 65.85,69.53 U4.28
/DUART/~{TTL_RIA}: length 180.7
  Top w0.25: C1.1 10.5,126.37 25.77,111.1 25.77,105.77 30.19,101.35 41.64,101.35 55.7,87.3 59.72,87.3 60.93,86.08 60.93,84.61 U4.43 63.09,82.45 77.4,82.45 v1(78.74,81.11) ; R2.2 16.75,135 18.38,136.63 32.86,136.63 34.49,135 D1.2
  Bottom w0.25: C1.1 10.5,128.75 15.62,133.87 R2.2 ; RN5.9 106.19,41 106.19,41.28 105.35,42.13 96.84,42.13 88.35,50.61 88.35,52.12 83.41,57.06 83.41,59.88 79.73,63.56 79.73,72.44 79.48,72.7 79.48,80.37 v1(78.74,81.11)
/DUART/~{TTL_RTSA}: length 129.3
  Top w0.25: v1(53.26,94.12) 42.89,104.5 34.68,104.5 33.49,105.7 33.49,106.6 34.13,107.25 37.2,107.25 ; 37.2,107.25 60.97,131.02 60.97,132.35 63.47,134.85 70.93,134.85 80.46,144.38 82.13,144.38 83.3,145.55 83.3,149 82.51,149.79 80.79,149.79 J6.4 ; 37.2,107.25 U8.11
  Bottom w0.25: v1(53.26,94.12) 53.27,94.13 60.57,94.13 68.19,86.51 68.19,83.04 67.61,82.46 67.16,82.46 66.01,81.32 66.01,79.85 U4.36
/DUART/~{TTL_RTSB}: length 102.2
  Bottom w0.25: 81.23,111.64 73,111.64 72.36,111 72.36,97.4 73.19,96.57 73.19,95.4 70.63,92.84 70.63,80.45 67.09,76.92 66.62,76.92 65.62,75.91 65.62,75.4 64.83,74.61 64.32,74.61 60.68,70.97 60.68,70.52 59.92,69.75 58.01,69.75 U4.23 ; 81.23,111.64 81.23,144.31 J6.3 ; 81.23,111.64 81.45,111.64 82.13,110.97 82.13,107.67 81.2,106.75 U9.11
/kbdmse/KBDCLK: length 110.5
  Top w0.25: v1(155.25,136.21) 158.87,139.82 164.82,139.82 J14.1 ; RN8.3 150.21,110 150.21,109.72 152.03,107.89 v1(157.97,107.89)
  Bottom w0.25: v1(155.25,136.21) 153.39,134.34 153.39,131.52 148.38,126.52 148.38,111.82 149.08,111.13 RN8.3 ; U26.2 167.96,69.3 161.51,75.75 161.51,93.99 158.62,96.87 U25.4 158.62,99.13 159.75,100.25 159.75,106.12 v1(157.97,107.89)
/kbdmse/KBDDAT: length 236.4
  Top w0.25: v1(174.36,57.8) 176,57.8 177.07,58.87 177.07,59.7 182.18,64.82 188.82,64.82 194.68,70.68 194.68,77.32 224.93,107.57 224.93,118.65 199.54,144.05 197.79,144.05 196.27,145.57 196.27,148.97 195.52,149.72 184.88,149.72 J14.9
  Bottom w0.25: J14.9 182.35,147.19 182.35,149.03 181.16,150.22 167.69,150.22 158.19,140.73 158.19,130.95 155.88,128.64 155.61,128.64 153.89,126.92 153.89,111.4 154.16,111.13 RN8.5 154.16,108.87 154.67,108.36 154.67,104.67 153.54,103.54 U25.2 ; U26.30 174.36,47.47 v1(174.36,57.8)
/kbdmse/MSECLK: length 152.1
  Top w0.25: RN8.2 147.67,110 147.67,109.72 150.26,107.12 163.89,107.12 165.11,105.9 165.11,105.62 U25.8 ; U26.43 171.7,60.29 170.2,60.29 169.23,61.27 169.23,61.74 167.13,63.84 154,63.84 152.63,65.22 152.63,66.43 146.6,72.45 v1(145.6,72.45)
  Bottom w0.25: J14.2 167.36,148.54 160.3,141.48 160.3,140.78 159.42,139.9 159.42,130.86 156.07,127.51 155.87,127.51 154.83,126.48 154.83,125.42 157.27,122.98 157.27,115.49 161.34,111.42 161.99,111.42 163.05,110.36 163.05,109.65 165.96,106.75 166.24,106.75 U25.8 ; RN8.2 146.54,108.87 147.13,108.29 147.13,95.89 144.79,93.56 144.79,75.81 144.86,75.75 144.86,73.2 v1(145.6,72.45)
/kbdmse/MSEDAT: length 128.5
  Top w0.25: v1(162.53,114.79) 158.87,111.14 155.55,111.14 ; U25.6 164.83,98 164.83,97.81 165.76,96.87 166.76,96.87 167.41,97.53 167.41,106.06 165.06,108.42 158.48,108.42 158.27,108.62 156.48,108.62 155.55,109.55 155.55,111.14 ; 155.55,111.14 153.6,111.14 152.75,110.28 152.75,110 RN8.4 ; U26.31 179.01,48.79 v1(181.34,51.12)
  Bottom w0.25: v1(162.53,114.79) 161.3,116.02 161.3,125.59 162,126.28 J22.2 162,128.64 161.19,128.64 160.33,129.49 160.33,138.53 161.63,139.82 162,139.82 J21.1 ; v1(181.34,51.12) 181.34,60.52 166.44,75.41 166.44,94.13 163.7,96.87 U25.6
/kbdmse/PROG: length 97.8
  Top w0.25: v1(173.83,103.73) 171.65,103.73 166.51,108.87 158.67,108.87 157.83,109.72 157.83,110 RN8.6 ; U26.28 v1(184.67,43.71)
  Bottom w0.25: v1(173.83,103.73) 173.92,103.64 173.92,86.26 168.7,81.04 168.7,79.98 168.86,79.82 168.86,73.64 184.67,57.83 v1(184.67,43.71)
/kbdmse/~{INT_KM}: length 210.4
  Top w0.25: J5.1 J5.3 J5.5 J5.7 J5.9 J5.11 J5.13 24.42,20 25,20.59 25.48,20.59 ; v1(143.38,59.01) 140.27,59.01 139.53,59.75 125.64,59.75 124.89,59 124.89,58.25 123.46,56.82 118.48,56.82 111.19,49.53 67.29,49.53 60.6,42.84 46.46,42.84 32.57,28.96 32.57,27.67 25.49,20.59 25.48,20.59 ; 25.48,20.59 25.78,20.59 J5.15 ; v1(144.91,100.61) 146.17,101.87 151.49,101.87 154.95,105.34 154.95,105.62 U25.12
  Bottom w0.25: v1(143.38,59.01) 144.96,60.58 144.96,70.88 144.4,71.43 144.4,75.56 144.34,75.63 144.34,100.04 v1(144.91,100.61)
/parallel/BUSY: length 41.3
  Top w0.25: v1(118.2,76.56) 118.84,76.56 122.49,72.9 122.49,72.62 U21.17 ; U19.2 101.67,98 101.67,98.28 102.51,99.13 106.1,99.13 106.89,98.34 106.89,97.37 110.14,94.13 110.7,94.13 RN7.6
  Bottom w0.25: RN7.6 110.7,86.36 117.38,79.68 117.38,77.38 v1(118.2,76.56)
/parallel/ERROR: length 113.5
  Top w0.25: v1(143.78,67.36) 136.99,67.36 134.91,65.28 134.91,65 U21.8
  Bottom w0.25: P6.4 130.76,147.32 132.53,147.32 133.35,148.15 133.35,148.94 134.13,149.72 135.12,149.72 135.98,148.86 135.98,147.96 136.77,147.18 142.77,147.18 143.51,146.43 143.51,143.86 148.87,138.5 148.87,135.63 146.45,133.21 146.45,120.95 142.42,116.92 142.42,99.39 143.44,98.37 143.44,75.25 143.5,75.19 143.5,67.64 v1(143.78,67.36)
/parallel/P-RESET: length 137.1
  Top w0.25: v1(117.74,49.22) 123.51,49.22 124.89,50.6 124.89,51.32 125.74,52.17 127.53,52.17 U23.6 ; RN7.4 107.62,91 v1(108.18,91)
  Bottom w0.25: v1(117.74,49.22) 115.66,49.22 113.29,51.59 113.29,65.33 109.72,68.9 109.72,89.46 v1(108.18,91) ; RN7.4 105.62,94.13 106.75,95.25 106.75,98.64 108.16,100.06 U19.10 108.16,110.4 122.91,125.15 128.01,130.25 128.01,131.26 128.4,131.64 128.4,132.25 127.58,133.06 127.58,141.82 125.82,143.58 125.82,149.03 126.56,149.77 130.85,149.77 P6.6
/parallel/PAPEROUT: length 210.8
  Top w0.25: U21.13 134.91,72.62 134.91,72.9 136.49,74.49 173.49,74.49 180.97,67 190,67 193.76,70.76 193.76,78.24 224.48,108.97 224.48,118.44 199.52,143.41 v1(189.37,143.41)
  Bottom w0.25: P6.23 156.21,147.27 162.77,147.27 166.2,150.7 182.07,150.7 v1(189.37,143.41)
/parallel/PD0: length 114.5
  Top w0.25: R17.1 117.43,144.43 127.97,144.43 P6.3
  Bottom w0.25: U22.2 83.41,65 83.41,64.3 82.99,63.87 81.02,63.87 80.65,64.24 80.65,80.89 80.38,81.16 80.38,88.76 89.21,97.59 89.21,103.1 110.23,124.13 110.23,127.48 113.75,131 ; 113.75,131 112.87,131.88 112.87,134.43 114.23,135.79 114.23,140.77 R17.1 ; 113.75,131 C12.1
/parallel/PD1: length 104.7
  Top w0.25: R18.1 122.9,143.9 129.98,143.9 P6.5
  Bottom w0.25: R18.1 118.86,139.86 118.86,132.14 C13.1 120,130.36 102.55,112.92 102.42,112.92 94.18,104.68 94.18,97.39 92.12,95.32 92.12,91.93 88.46,88.28 88.46,67.29 89.62,66.13 U22.4
/parallel/PD2: length 104.2
  Top w0.25: P6.7 129.62,141 R19.1
  Bottom w0.25: U22.6 95.83,65 95.83,64.72 96.67,63.87 97.77,63.87 98.37,64.48 98.37,88.07 101.81,91.5 101.81,101.73 104.35,104.27 104.35,107.86 122.01,125.52 122.01,127.01 C14.1 126,131.69 127.13,132.82 127.13,139.87 R19.1
/parallel/PD3: length 132.2
  Top w0.25: C15.1 130.3,129.3 114.01,129.3 v1(111.96,127.26) ; v1(83.99,67.58) 85.81,65.76 85.81,64.63 86.56,63.87 97.81,63.87 98.65,64.72 98.65,65 U22.8
  Bottom w0.25: v1(111.96,127.26) 111.35,126.65 111.35,124.61 89.95,103.21 89.95,97.7 80.83,88.57 80.83,82.61 83.13,80.31 83.13,68.44 v1(83.99,67.58) ; P6.9 132.08,140.92 ; 132.08,140.92 133.15,139.85 133.15,132.15 C15.1 ; 132.08,140.92 R20.1
/parallel/PD4: length 100.6
  Top w0.25: P6.11 138,144.3 R23.1
  Bottom w0.25: 136.87,132.13 136.48,132.13 129.64,125.29 129.64,111.32 127.93,109.6 127.93,105.33 127.05,104.45 126.08,104.45 125.27,105.26 125.27,105.95 124.47,106.75 123.46,106.75 120.13,103.41 120.13,97.5 119.06,96.44 112.49,96.44 109.29,93.23 109.29,92.47 108.54,91.73 107.88,91.73 103.73,87.59 103.73,76.49 104.86,75.36 U22.11 ; 136.87,132.13 136.87,139.87 R23.1 ; 136.87,132.13 C16.1
/parallel/PD5: length 106.9
  Top w0.25: v1(118.32,75.09) 116.97,73.75 101.75,73.75 100.91,72.9 100.91,72.62 U22.13
  Bottom w0.25: v1(118.32,75.09) 119.7,76.47 119.7,82.25 117.39,84.56 117.39,87.13 121.09,90.83 121.09,93.1 121.94,93.95 121.94,98.71 127.35,104.12 129.22,104.12 130.21,105.1 130.21,106.34 145.13,121.26 145.13,129.87 C17.1 144,131.79 145.13,132.91 145.13,139.87 R24.1 142.24,142.76 P6.13
